# Allegro board PandaX_III_V3.brd (continued)
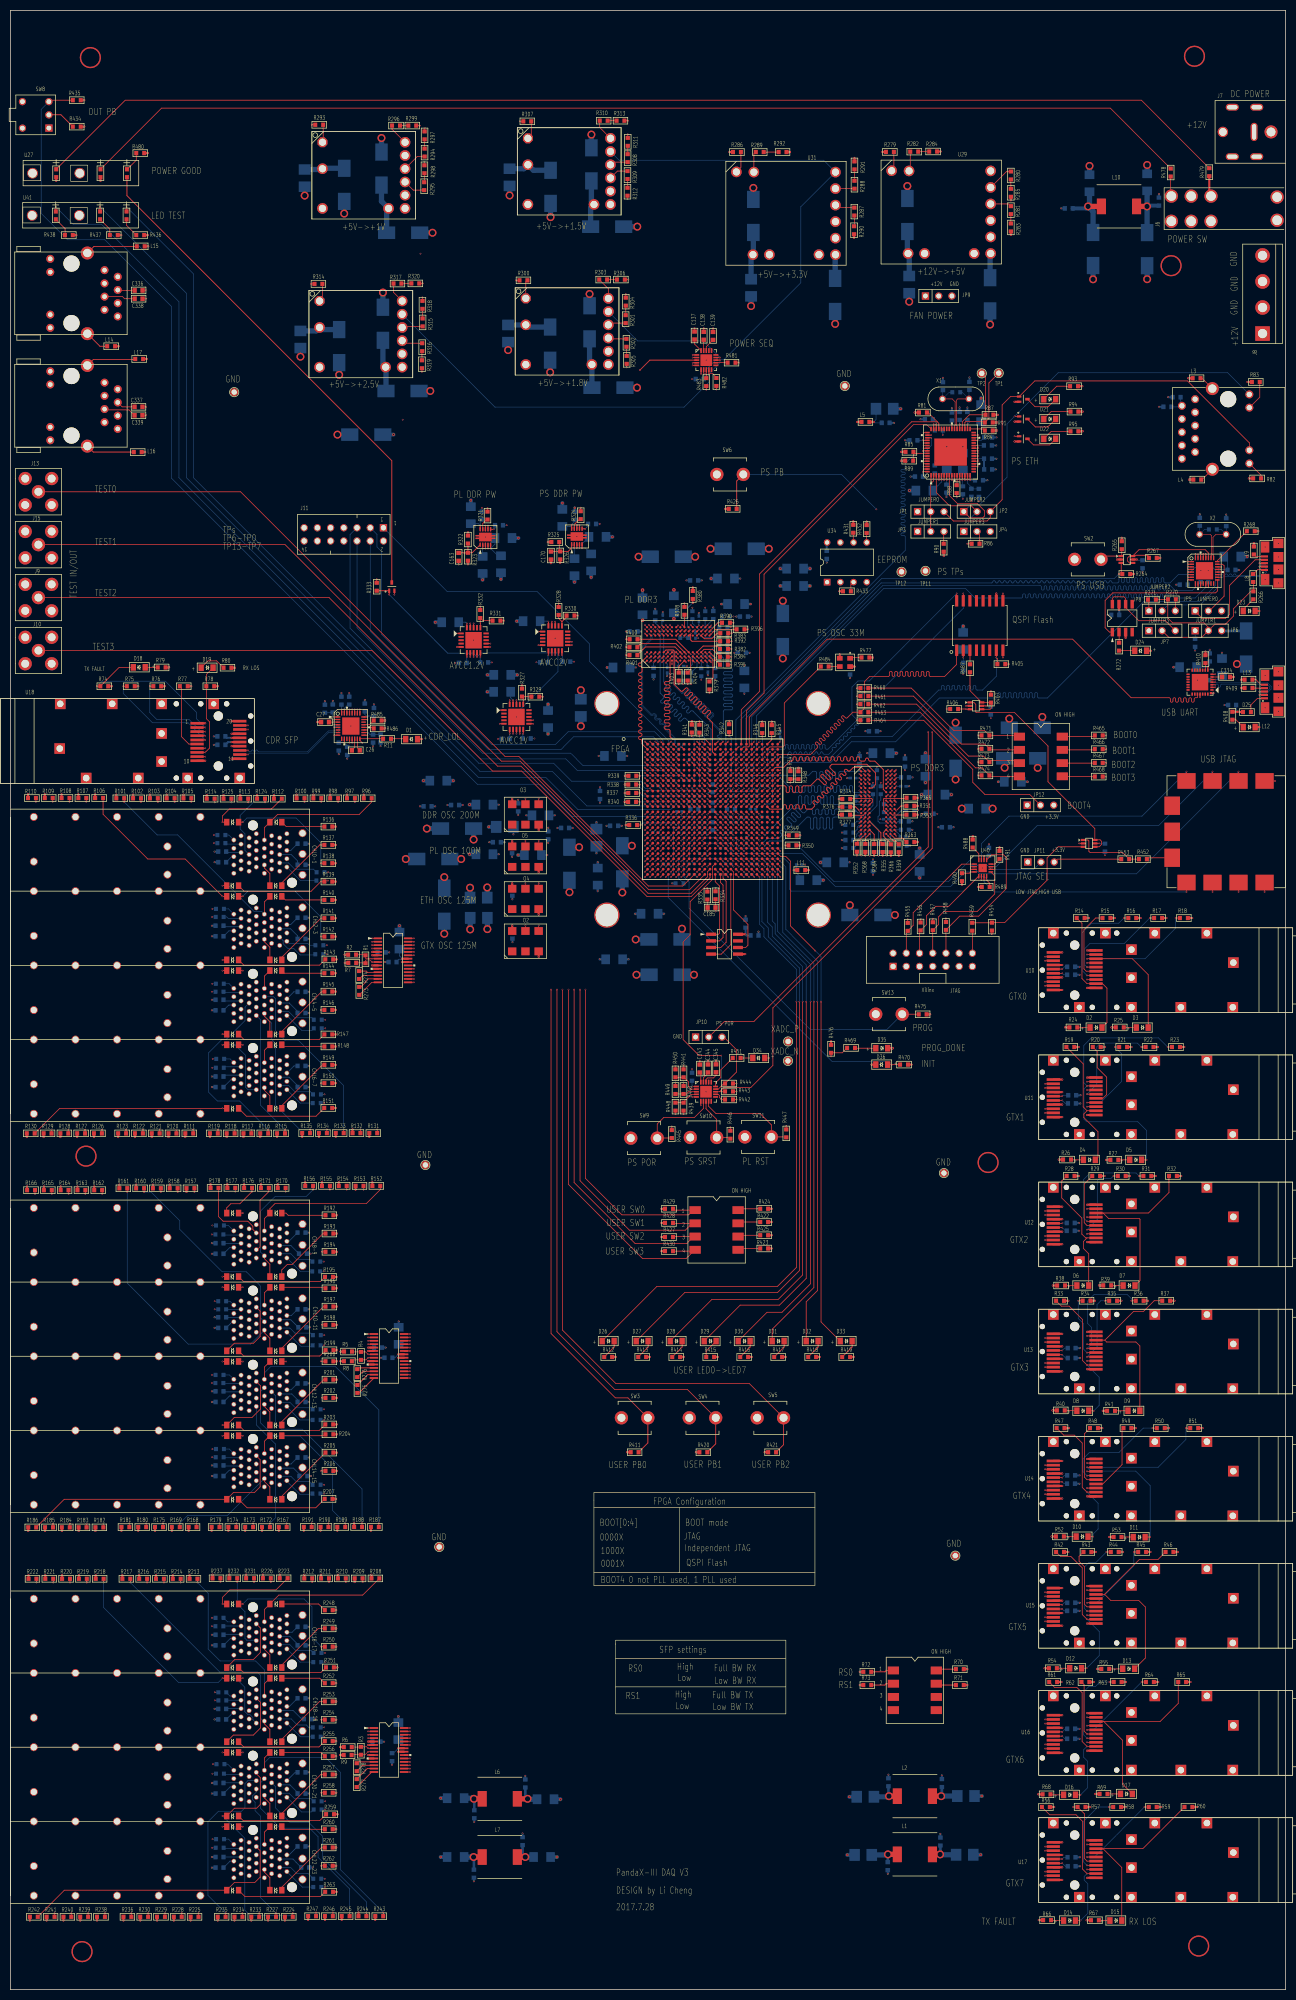
[diagram p0: board, top side]
## Routing (per net, layer and track width the routed paths; a pad name or vN(x,y) marks a point on that pad's centre or on a via; arc(x,y) is an arc through that point) (continued)
DDR3_UDQS_P: length 32.3
  TOP w0.102: U1.L24 v1(145.93,229.62)
  TOP w0.127: U33.C7 v1(168.61,232.63)
  SIG2 w0.102: v1(145.93,229.62) 146.15,229.62 146.33,229.44 146.33,229.13 146.46,229.01 148.47,229.01 149.61,227.86 150.4,227.86 arc(150.71,227.99) 150.84,228.3 arc(150.9,228.44) 151.04,228.5 151.15,228.5 arc(151.22,228.47) 151.24,228.41 151.24,228.3 arc(151.67,227.86) 152.11,228.3 arc(152.17,228.44) 152.31,228.5 152.42,228.5 arc(152.49,228.47) 152.51,228.41 152.51,228.3 arc(152.94,227.86) 153.38,228.3 arc(153.44,228.44) 153.58,228.5 153.69,228.5 arc(153.76,228.47) 153.78,228.41 153.78,228.3 arc(154.21,227.86) 154.65,228.3 arc(154.71,228.44) 154.85,228.5 154.96,228.5 arc(155.03,228.47) 155.05,228.41 155.05,228.3 arc(155.48,227.86) 155.92,228.3 arc(155.98,228.44) 156.12,228.5 156.23,228.5 arc(156.3,228.47) 156.32,228.41 156.32,228.3 arc(156.45,227.99) 156.75,227.86 160.98,227.86 161.82,228.7 165.7,228.7 166.27,229.27 166.27,231.66 167.53,232.91 168.33,232.91 v1(168.61,232.63)
DDR3_WE_B: length 43.8
  TOP w0.102: U1.V22 v1(143.93,221.62)
  TOP w0.127: U33.L3 v1(164.74,225.55)
  SIG1 w0.152: v1(143.93,221.62) 144.54,222.23 145.47,222.23 arc(145.69,222.32) 145.78,222.53 145.78,222.56 arc(146.08,222.86) 146.39,222.56 146.39,222.53 arc(146.69,222.23) 147,222.53 147,222.56 arc(147.3,222.86) 147.61,222.56 147.61,222.53 arc(147.91,222.23) 148.22,222.53 148.22,222.56 arc(148.52,222.86) 148.83,222.56 148.83,222.53 arc(149.13,222.23) 149.43,222.53 149.43,222.56 arc(149.74,222.86) 150.04,222.56 150.04,222.53 arc(150.35,222.23) 150.65,222.53 150.65,222.56 arc(150.96,222.86) 151.26,222.56 151.26,222.53 arc(151.57,222.23) 151.87,222.53 151.87,222.56 arc(152.18,222.86) 152.48,222.56 152.48,222.53 arc(152.79,222.23) 153.09,222.53 153.09,222.56 arc(153.4,222.86) 153.7,222.56 153.7,222.53 arc(154.01,222.23) 154.31,222.53 154.31,222.56 arc(154.62,222.86) 154.92,222.56 154.92,222.53 arc(155.23,222.23) 155.53,222.53 155.53,222.56 arc(155.84,222.86) 156.14,222.56 156.14,222.53 arc(156.45,222.23) 156.75,222.53 156.75,222.56 arc(157.05,222.86) 157.36,222.56 157.36,222.53 arc(157.45,222.32) 157.66,222.23 158.88,222.23 159.41,222.76 165.05,222.76 165.28,222.99 165.28,223.3 arc(165.37,223.52) 165.58,223.61 166.57,223.61 arc(166.88,223.91) 166.57,224.22 165.58,224.22 arc(165.37,224.3) 165.28,224.52 165.28,225.01 v1(164.74,225.55)
  BOTTOM w0.152: R373.1 166.5,227.31 v1(164.74,225.55)
DDR3_ZQ: length 3.3
  TOP w0.152: U33.L8 169.45,225.51 172.1,225.51 R353.2
DDR_VREF75V: length 6.9
  TOP w0.102: U1.K21 v1(142.93,230.62) ; U1.M21 v1(142.93,228.62)
  TOP w0.127: U33.M8 v1(169.41,224.75) ; U33.H1 v1(163.14,227.95)
  TOP w0.152: U32.6 v1(110.44,280.47)
  BOTTOM w0.152: v1(110.44,280.47) 111,281.03 C173.1 ; v1(163.14,227.95) 162.92,228.17 C301.1 ; C279.1 142.45,228.14 v1(142.93,228.62) ; v1(142.93,230.62) 143.4,230.15 C278.1 ; v1(169.41,224.75) 169.38,224.71 C302.1
DDR_VTT75V: length 28.6
  TOP w0.152: U32.5 v1(109.84,276.8) ; U32.3 v1(108.84,276.8)
  TOP w0.381: R368.2 v1(164.26,217.76) ; R364.2 v1(165.96,217.73) ; R363.2 v1(174.37,220.32) ; R369.2 v1(170.69,217.7) ; R377.2 v1(159.11,225.58) ; R376.2 v1(159.16,227.1) ; R366.2 v1(169.16,217.68) ; R351.2 v1(174.37,227.28) ; R355.2 v1(167.59,217.73) ; R374.2 v1(159.16,228.6) ; R365.2 v1(174.4,228.83)
  BOTTOM w0.102: R375.2 v1(165.73,231.73) ; R367.2 v1(167.23,231.73) ; R373.2 v1(166.5,234.8)
  BOTTOM w0.127: C307.1 v1(175.16,225.76)
  BOTTOM w0.152: C175.1 109.84,277.59 v1(109.84,276.8) 110.44,276.8 C174.1
  BOTTOM w0.381: C306.1 v1(165.73,216.99) ; R360.2 v1(159.74,219.18) ; R371.2 v1(174.35,226.44) ; R356.2 v1(168.4,217.73) ; R362.2 v1(163.47,217.76) ; R361.2 v1(173.3,222.68) ; R358.2 v1(159.77,222.15) ; R357.2 v1(165.1,217.73) ; R372.2 v1(166.8,217.73) ; R359.2 v1(172.9,219.66) ; C308.1 v1(171.88,234.11) ; R370.2 v1(159.74,223.62)
  BOTTOM w0.762: C303.1 v4(175.82,231.73) ; C304.1 v4(175.06,229.44) ; C305.1 v4(174.7,219.17)
ETH_AVCC1V8_FILTER: length 25.5
  TOP w0.152: U6.14 v1(183.4,289.86) ; U6.15 v1(183.9,289.86) ; U6.29 v1(185.98,297.45) ; U6.34 v1(183.9,300.54) ; U6.27 v1(185.98,296.45) ; U6.21 v1(185.98,293.45) ; U6.22 v1(185.98,293.95) ; U6.16 v1(184.39,289.86) ; U6.37 v1(182.39,300.54)
  TOP w0.381: L5.1 v1(162.69,300.99)
  BOTTOM w0.127: v1(185.98,296.45) 186,296.47 C60.1 ; C51.1 184.42,301.06 v1(183.9,300.54) 183.87,300.56 C62.1 ; v1(183.4,289.86) 183.4,291.41 183.06,291.74 C58.1 ; C63.1 186.53,297.45 v1(185.98,297.45) ; C59.1 184.46,289.79 v1(184.39,289.86) ; v1(183.9,289.86) 183.9,289.23 184.63,288.49 C54.1 184.66,288.14 C53.1 ; v1(182.39,300.54) 182.37,300.56 C56.1 ; C61.1 186,293.93 v1(185.98,293.95)
  BOTTOM w0.381: C52.1 187.07,291.9 C61.1
ETH_DVDD: length 11.6
  TOP w0.152: U6.13 v1(182.9,289.86) ; U6.47 v1(177.39,300.54) ; U6.5 v1(178.89,289.86) ; U6.40 v1(180.89,300.54)
  BOTTOM w0.127: C68.1 182.9,288.73 v1(182.9,289.86) ; C67.1 178,291.11 178.89,290.22 v1(178.89,289.86) 178.89,289.46 C64.1 ; v1(180.89,300.54) 180.9,300.54 C65.1 ; v1(177.39,300.54) 177.39,299.62 C66.1
ETH_PHY_CONFIG2: length 11
  TOP w0.127: U6.2 177.39,289.69 176.83,289.13 JP1.2 JP3.2
ETH_PHY_CONFIG3: length 20.5
  TOP w0.127: U6.3 177.89,287.44 180.44,284.89 184.61,284.89 JP2.2 ; R86.2 v1(183.85,277.6)
  BOTTOM w0.127: v1(183.85,277.6) 184.48,278.23 184.48,282.53 JP2.2
ETH_PHY_LED0: length 99.2
  TOP w0.127: U6.6 v1(179.4,289.86) ; U6.1 v1(176.9,289.86) ; J1.12 238.05,296.98 226.16,308.87 196.82,308.87 193.82,305.86 Q1.2 192.17,305.86 190.55,304.24 190.55,286.06 JP2.3 188.26,282.58 187.66,281.97 181.18,281.97 JP1.3
  SIG1 w0.127: JP1.3 179.4,283.79 v1(179.4,289.86) 179.4,290.1 179.07,290.42 177.46,290.42 v1(176.9,289.86)
ETH_PHY_LED1: length 92
  TOP w0.127: JP2.1 184.4,282.55 186.79,282.55 187.15,282.91 187.15,283.95 185.83,285.27 182.02,285.27 180.4,286.89 U6.8 ; Q2.2 v1(192.93,302.05)
  BOTTOM w0.127: JP2.1 184.56,285.14 186.26,285.14 191.49,290.37 191.49,300.61 v1(192.93,302.05) 201.32,310.44 233.88,310.44 J1.14
ETH_PHY_LED2: length 17.6
  TOP w0.127: Q3.2 v1(192.93,298.24) ; U6.9 v1(180.89,289.86)
  SIG1 w0.127: v1(180.89,289.86) 180.89,290.42 181.1,290.63 185.32,290.63 v1(192.93,298.24)
ETH_PHY_MDC: length 78.4
  TOP w0.127: U1.A20 141.42,245.54 144.81,248.92 144.81,271.76 173.51,300.46 176.09,300.46 U6.48
ETH_PHY_MDIO: length 84.6
  TOP w0.127: 178.09,301.02 176.31,302.79 R81.1 ; 178.09,301.02 173.15,301.02 143.92,271.78 143.92,249.23 140.42,245.73 U1.A19 ; 178.09,301.02 178.39,300.71 U6.45
ETH_PHY_RESET_B: length 72.4
  TOP w0.102: U1.B20 v1(140.92,237.62)
  TOP w0.127: U6.10 v1(181.39,289.86)
  SIG4 w0.127: v1(140.92,237.62) 140.92,242.9 168.25,270.23 171.27,270.23 181.31,280.27 181.31,289.78 v1(181.39,289.86)
ETH_PHY_RX_CLK: length 87.1
  TOP w0.102: U1.G22 v1(143.93,233.62)
  TOP w0.127: U6.53 v1(175.46,296.95)
  SIG3 w0.127: v1(175.46,296.95) 170.94,296.95 170.43,296.44 arc(170.36,296.27) 170.43,296.09 170.62,295.9 arc(170.62,295.54) 170.26,295.54 170.07,295.73 arc(169.72,295.73) 169.72,295.37 169.9,295.18 arc(169.9,294.82) 169.54,294.82 169.36,295.01 arc(169,295.01) 169,294.65 169.18,294.46 arc(169.18,294.1) 168.82,294.1 168.64,294.29 arc(168.28,294.29) 168.28,293.93 168.47,293.74 arc(168.47,293.38) 168.11,293.38 167.92,293.57 arc(167.56,293.57) 167.56,293.21 167.75,293.02 arc(167.75,292.67) 167.39,292.67 167.2,292.85 arc(166.84,292.85) 166.84,292.49 167.03,292.31 arc(167.03,291.95) 166.67,291.95 166.48,292.13 arc(166.3,292.21) 166.12,292.13 145.49,271.5 145.49,240.62 144.37,239.5 144.37,234.09 143.93,233.64 v1(143.93,233.62)
ETH_PHY_RX_CTRL: length 87.3
  TOP w0.102: U1.F18 v1(139.93,234.62)
  TOP w0.127: U6.49 v1(175.46,298.95)
  SIG4 w0.127: v1(175.46,298.95) 174.46,299.95 166.93,299.95 151.51,284.53 151.51,256.59 139.45,244.53 139.45,235.11 v1(139.93,234.62)
ETH_PHY_RXD0: length 87
  TOP w0.102: U1.F20 v1(141.93,234.62)
  TOP w0.127: U6.50 v1(176.93,298.45)
  SIG3 w0.127: v1(141.93,234.62) 141.5,235.05 140.54,235.05 140.41,235.18 140.41,269.5 170.56,299.64 175.74,299.64 v1(176.93,298.45)
ETH_PHY_RXD1: length 102.4
  TOP w0.102: U1.J19 v1(140.93,231.62)
  TOP w0.127: U6.51 v1(176.93,297.95)
  BOTTOM w0.127: v1(176.93,297.95) 176.93,296.44 175.46,294.97 173.89,294.97 171.93,293.02 171.93,292.12 arc(171.86,291.94) 171.68,291.87 171.35,291.87 arc(171.09,291.62) 171.35,291.36 171.68,291.36 arc(171.93,291.11) 171.68,290.85 171.35,290.85 arc(171.09,290.6) 171.35,290.35 171.68,290.35 arc(171.93,290.09) 171.68,289.84 171.35,289.84 arc(171.09,289.58) 171.35,289.33 171.68,289.33 arc(171.93,289.08) 171.68,288.82 171.35,288.82 arc(171.09,288.57) 171.35,288.31 171.68,288.31 arc(171.93,288.06) 171.68,287.81 171.35,287.81 arc(171.09,287.55) 171.35,287.3 171.68,287.3 arc(171.93,287.04) 171.68,286.79 171.35,286.79 arc(171.09,286.54) 171.35,286.28 171.68,286.28 arc(171.93,286.03) 171.68,285.77 171.35,285.77 arc(171.09,285.52) 171.35,285.27 171.68,285.27 arc(171.93,285.01) 171.68,284.76 171.35,284.76 arc(171.09,284.5) 171.35,284.25 171.68,284.25 arc(171.93,284) 171.68,283.74 171.35,283.74 arc(171.09,283.49) 171.35,283.23 171.68,283.23 arc(171.93,282.98) 171.68,282.73 171.35,282.73 arc(171.09,282.47) 171.35,282.22 171.68,282.22 arc(171.93,281.96) 171.68,281.71 171.35,281.71 arc(171.09,281.46) 171.35,281.2 171.68,281.2 arc(171.93,280.95) 171.68,280.69 171.35,280.69 arc(171.09,280.44) 171.35,280.19 171.68,280.19 arc(171.93,279.93) 171.68,279.68 171.35,279.68 arc(171.09,279.42) 171.35,279.17 171.68,279.17 arc(171.86,279.09) 171.93,278.92 171.93,276.33 139.4,243.79 139.4,231.57 139.78,231.19 140.61,231.19 140.93,231.5 v1(140.93,231.62)
ETH_PHY_RXD2: length 87.6
  TOP w0.102: U1.F19 v1(140.93,234.62) ; U6.54 v1(175.46,296.45)
  SIG2 w0.127: v1(140.93,234.62) 140.93,234.63 141.35,235.05 141.35,246.38 150.19,255.22 150.19,273.53 166.54,289.89 arc(166.62,290.07) 166.54,290.25 166.25,290.53 arc(166.25,290.89) 166.61,290.89 166.9,290.61 arc(167.26,290.61) 167.26,290.96 166.97,291.25 arc(166.97,291.61) 167.33,291.61 167.62,291.32 arc(167.98,291.32) 167.98,291.68 167.69,291.97 arc(167.69,292.33) 168.05,292.33 168.34,292.04 arc(168.7,292.04) 168.7,292.4 168.41,292.69 arc(168.41,293.05) 168.77,293.05 169.06,292.76 arc(169.42,292.76) 169.42,293.12 169.13,293.41 arc(169.13,293.77) 169.49,293.77 169.78,293.48 arc(169.96,293.4) 170.14,293.48 171.63,294.97 175.72,294.97 176.02,295.28 176.02,296.22 175.79,296.45 v1(175.46,296.45)
ETH_PHY_RXD3: length 84.9
  TOP w0.102: U1.H17 v1(138.93,232.62) ; U6.55 v1(175.46,295.95)
  SIG2 w0.127: v1(138.93,232.62) 139.48,232.62 139.8,232.94 139.97,232.94 140.33,233.3 140.33,251.33 146.61,257.61 146.61,274.93 167.63,295.95 v1(175.46,295.95)
ETH_PHY_TX_CLK: length 89.6
  TOP w0.102: U1.G21 v1(142.93,233.62)
  TOP w0.127: U6.60 v1(175.46,293.45)
  SIG3 w0.127: v1(142.93,233.62) 142.93,233.63 142.47,234.09 142.47,262.94 142.84,263.31 142.84,270.85 170.43,298.45 175.62,298.45 176.86,297.21 176.86,294.46 175.85,293.45 v1(175.46,293.45)
ETH_PHY_TX_CTRL: length 88.7
  TOP w0.102: U1.F22 v1(143.93,234.62)
  TOP w0.127: U6.63 v1(175.46,291.95)
  SIG3 w0.127: v1(143.93,234.62) 143.84,234.62 143.41,235.05 143.41,270.54 170.79,297.92 175.56,297.92 176.2,297.28 176.2,295.53 175.69,295.02 175.11,295.02 174.88,294.79 174.88,292.2 175.13,291.95 v1(175.46,291.95)
ETH_PHY_TXD0: length 88.5
  TOP w0.102: U1.G17 v1(138.93,233.62) ; U6.58 v1(175.46,294.45)
  SIG1 w0.127: v1(175.46,294.45) 170.15,294.45 arc(169.97,294.53) 169.89,294.7 169.89,295.02 arc(169.64,295.28) 169.38,295.02 169.38,294.7 arc(169.13,294.45) 168.88,294.7 168.88,295.02 arc(168.62,295.28) 168.37,295.02 168.37,294.7 arc(168.11,294.45) 167.86,294.7 167.86,295.02 arc(167.61,295.28) 167.35,295.02 167.35,294.7 arc(167.1,294.45) 166.84,294.7 166.84,295.02 arc(166.59,295.28) 166.34,295.02 166.34,294.7 arc(166.26,294.53) 166.08,294.45 165.7,294.45 143.38,272.14 143.38,250.19 139.52,246.33 139.52,236.42 139.27,236.17 138.86,236.17 138.56,235.87 138.56,233.99 v1(138.93,233.62)
ETH_PHY_TXD1: length 84.6
  TOP w0.102: U6.59 v1(175.46,293.95) ; U1.G20 v1(141.93,233.62)
  SIG4 w0.127: v1(141.93,233.62) 141.35,234.2 141.35,241.63 169.14,269.42 171.2,269.42 181.99,280.21 181.99,285.29 182.25,285.55 182.25,288.88 181.91,289.21 181.91,290.22 178.19,293.95 v1(175.46,293.95)
ETH_PHY_TXD2: length 88.6
  TOP w0.102: U1.G19 v1(140.93,233.62) ; U6.61 v1(175.46,292.95)
  SIG1 w0.127: v1(175.46,292.95) 171.46,292.95 arc(171.28,292.88) 171.21,292.7 171.21,292.41 arc(170.95,292.15) 170.7,292.41 170.7,292.7 arc(170.44,292.95) 170.19,292.7 170.19,292.41 arc(169.94,292.15) 169.68,292.41 169.68,292.7 arc(169.43,292.95) 169.17,292.7 169.17,292.41 arc(168.92,292.15) 168.67,292.41 168.67,292.7 arc(168.41,292.95) 168.16,292.7 168.16,292.41 arc(167.9,292.15) 167.65,292.41 167.65,292.7 arc(167.4,292.95) 167.14,292.7 167.14,292.41 arc(166.89,292.15) 166.63,292.41 166.63,292.7 arc(166.38,292.95) 166.13,292.7 166.13,292.41 arc(165.87,292.15) 165.62,292.41 165.62,292.7 arc(165.54,292.88) 165.36,292.95 165.11,292.95 144.02,271.86 144.02,249.91 140.39,246.28 140.39,234.09 140.85,233.62 v1(140.93,233.62)
ETH_PHY_TXD3: length 89.9
  TOP w0.102: U1.H19 v1(140.93,232.62) ; U6.62 v1(175.46,292.45)
  SIG4 w0.127: v1(175.46,292.45) 173.85,292.45 arc(173.67,292.37) 173.6,292.2 173.6,292.13 arc(173.34,291.87) 173.09,292.13 173.09,292.2 arc(172.84,292.45) 172.58,292.2 172.58,292.13 arc(172.33,291.87) 172.07,292.13 172.07,292.2 arc(171.82,292.45) 171.57,292.2 171.57,292.13 arc(171.31,291.87) 171.06,292.13 171.06,292.2 arc(170.8,292.45) 170.55,292.2 170.55,292.13 arc(170.3,291.87) 170.04,292.13 170.04,292.2 arc(169.79,292.45) 169.53,292.2 169.53,292.13 arc(169.28,291.87) 169.03,292.13 169.03,292.2 arc(168.77,292.45) 168.52,292.2 168.52,292.13 arc(168.26,291.87) 168.01,292.13 168.01,292.2 arc(167.76,292.45) 167.5,292.2 167.5,292.13 arc(167.25,291.87) 166.99,292.13 166.99,292.2 arc(166.74,292.45) 166.49,292.2 166.49,292.13 arc(166.23,291.87) 165.98,292.13 165.98,292.2 arc(165.72,292.45) 165.47,292.2 165.47,292.13 arc(165.22,291.87) 164.96,292.13 164.96,292.2 arc(164.89,292.37) 164.71,292.45 162.73,292.45 154.81,284.53 154.81,258.29 140.44,243.92 140.44,233.11 v1(140.93,232.62)
ETHERNET_GTX_CLK_N: length 36.9
  TOP w0.102: O4.5 v1(98.96,212.42) ; U1.R5 v1(125.92,224.62)
  SIG1 w0.102: v1(98.96,212.42) 100,212.42 100.1,212.52 100.1,213.41 100.48,213.79 102.31,213.79 104.57,216.06 104.57,218.39 109.22,223.04 121.24,223.04 121.44,223.24 121.51,223.24 126.13,223.24 126.26,223.37 126.26,224.27 126.21,224.32 126.21,224.33 v1(125.92,224.62)
ETHERNET_GTX_CLK_P: length 36.9
  TOP w0.102: U1.R6 v1(126.92,224.62) ; O4.4 v1(101.5,212.42)
  SIG1 w0.102: v1(126.92,224.62) 126.52,224.21 126.52,223.27 126.24,222.99 121.62,222.99 121.41,222.78 109.32,222.78 104.83,218.29 104.83,215.95 102.41,213.54 100.59,213.54 100.36,213.31 100.36,212.57 100.51,212.42 v1(101.5,212.42)
ETHERNET_XTAL_N: length 12
  TOP w0.102: X1.1 180.95,305.41 181.52,304.84 181.52,300.35 181.39,300.23 U6.39
  BOTTOM w0.102: R92.2 180.37,306.68 X1.1 179.1,307.01 C44.1
ETHERNET_XTAL_P: length 12
  TOP w0.102: U6.38 181.89,300.23 181.77,300.35 181.77,305.17 182.02,305.41 X1.2
  BOTTOM w0.102: C45.1 184.18,307.04 X1.2 182.91,306.68 R92.1
FEC_CLK_N: length 149.7
  TOP w0.102: U1.H3 v1(123.92,232.62)
  SIG2 w0.102: DU2.2 22.4,309.04 22.8,309.04 arc(22.94,308.98) 23,308.84 23,308.64 arc(23.2,308.43) 23.41,308.64 23.41,308.84 arc(23.61,309.04) 23.81,308.84 23.81,308.64 arc(24.02,308.43) 24.22,308.64 24.22,308.84 arc(24.42,309.04) 24.63,308.84 24.63,308.64 arc(24.83,308.43) 25.03,308.64 25.03,308.84 arc(25.09,308.98) 25.24,309.04 47.6,309.04 92.58,264.06 106.04,264.06 107.19,262.92 107.19,246.58 119.71,234.06 123.95,234.06 124.29,233.72 124.29,233 v1(123.92,232.62)
FEC_CLK_P: length 149.7
  TOP w0.102: U1.H4 v1(124.92,232.62)
  SIG2 w0.102: DU2.1 18.84,309.3 47.7,309.3 92.68,264.31 106.15,264.31 107.44,263.02 107.44,246.69 119.81,234.32 124.05,234.32 124.55,233.82 124.55,233 v1(124.92,232.62)
FEC_ENAREM: length 182.8
  TOP w0.102: U1.W16 v1(137.93,220.62)
  SIG4 w0.127: DU2.3 11.38,306 8.86,303.48 8.86,295.53 12.14,292.25 30.58,292.25 92.71,230.13 108.64,230.13 111.61,227.15 137.16,227.15 138.46,225.86 138.46,221.15 v1(137.93,220.62)
FEC_GROUP_TX_N0: length 91.4
  TOP w0.102: R7.1 68.15,197.13 R1.1 68.22,197.59 68.33,197.69 69.09,197.69 v1(69.49,197.29) U2.8 ; U1.G1 v1(121.92,233.62)
  SIG1 w0.102: v1(121.92,233.62) 121.97,233.58 122.12,233.58 122.35,233.81 122.35,234.02 122.6,234.27 123.03,234.27 123.29,234.52 123.29,237.84 123.11,238.02 96.22,238.02 85.72,227.53 85.09,226.9 85.09,212.06 71.41,198.38 arc(71.35,198.23) 71.41,198.09 71.64,197.86 arc(71.64,197.57) 71.35,197.57 71.12,197.8 arc(70.97,197.86) 70.83,197.8 70.49,197.47 69.67,197.47 v1(69.49,197.29)
FEC_GROUP_TX_N1: length 160.8
  TOP w0.102: U3.8 v1(68.73,121.32) 68.32,120.91 R4.1 65.86,120.91 R8.1 ; U1.E1 v1(121.92,235.62)
  SIG1 w0.102: v1(121.92,235.62) 122.29,235.99 122.29,236.84 122.07,237.06 120.55,237.06 119.16,235.66 97.49,235.66 90.91,229.08 90.91,219.36 89.56,218.01 89.56,212.11 89.59,212.08 89.59,211.03 89.56,211.01 89.56,204.13 89.61,204.08 89.61,203.03 89.56,202.98 89.56,154.84 89.41,154.69 75.97,141.25 75.97,124.97 73.46,122.45 71.6,122.45 70.66,121.51 69.91,121.51 arc(69.8,121.47) 69.76,121.36 arc(69.71,121.25) 69.61,121.21 69.5,121.21 arc(69.4,121.25) 69.35,121.36 arc(69.31,121.47) 69.2,121.51 68.93,121.51 v1(68.73,121.32)
FEC_GROUP_TX_N2: length 233.4
  TOP w0.102: U1.AE26 v1(147.93,214.62) ; R9.1 65.61,45.09 R3.1 68.14,45.09 v1(68.73,45.68) U19.8
  SIG4 w0.102: v1(68.73,45.68) 68.73,45.79 68.83,45.9 72.55,45.9 75.69,49.04 75.69,50.42 94.47,69.19 119.51,69.19 159.08,108.76 159.08,190.48 147.57,201.99 147.57,214.35 147.84,214.62 v1(147.93,214.62)
FEC_GROUP_TX_P0: length 91.4
  TOP w0.102: R2.2 68.1,198.71 R1.2 68.22,198.04 68.33,197.94 69.48,197.94 v1(69.49,197.94) U2.7 ; U1.H2 v1(122.92,232.62)
  SIG1 w0.102: v1(122.92,232.62) 122.61,232.94 122.61,233.91 122.71,234.01 123.14,234.01 123.55,234.42 123.55,237.95 123.22,238.28 96.11,238.28 85.62,227.79 84.84,227 84.84,212.17 70.39,197.72 69.72,197.72 69.49,197.94 v1(69.49,197.94)
FEC_GROUP_TX_P1: length 160.8
  TOP w0.102: U1.E2 v1(122.92,235.62) ; R5.2 65.71,122.43 R4.2 68.26,122.43 v1(68.73,121.97) U3.7
  SIG1 w0.102: v1(122.92,235.62) 122.55,235.99 122.55,236.94 122.18,237.31 120.45,237.31 119.05,235.92 97.38,235.92 90.65,229.19 90.65,219.46 89.31,218.11 89.31,212 89.33,211.98 89.33,211.14 89.31,211.11 89.31,204.03 89.36,203.98 89.36,203.14 89.31,203.09 89.31,154.94 75.72,141.35 75.72,125.07 73.36,122.71 71.5,122.71 70.56,121.77 68.93,121.77 v1(68.73,121.97)
FEC_GROUP_TX_P2: length 233.4
  TOP w0.102: U1.AE25 v1(146.93,214.62) ; R6.2 67.28,46.56 R3.2 68.44,46.61 v1(68.73,46.33) U19.7
  SIG4 w0.102: v1(146.93,214.62) 147.19,214.35 147.22,214.35 147.32,214.25 147.32,201.88 158.83,190.37 158.83,108.87 119.4,69.44 94.36,69.44 75.44,50.52 75.44,49.15 72.44,46.15 71.62,46.15 arc(71.48,46.21) 71.42,46.36 71.42,46.46 arc(71.22,46.66) 71.01,46.46 71.01,46.36 arc(70.95,46.21) 70.81,46.15 68.9,46.15 v1(68.73,46.33)
FEC_MISO_N: length 164.7
  TOP w0.102: U1.J5 v1(125.92,231.62)
  SIG4 w0.102: v1(125.92,231.62) 126.3,231.25 127.12,231.25 127.25,231.39 127.25,231.95 127.61,232.31 128.18,232.31 128.3,232.43 128.3,241.58 113.87,256.01 113.87,283.18 97.35,299.7 27.56,299.7 arc(27.41,299.64) 27.35,299.49 27.35,299.42 arc(27.15,299.21) 26.95,299.42 26.95,299.49 arc(26.74,299.7) 26.54,299.49 26.54,299.42 arc(26.34,299.21) 26.13,299.42 26.13,299.49 arc(25.93,299.7) 25.73,299.49 25.73,299.42 arc(25.52,299.21) 25.32,299.42 25.32,299.49 arc(25.12,299.7) 24.91,299.49 24.91,299.42 arc(24.71,299.21) 24.51,299.42 24.51,299.49 arc(24.3,299.7) 24.1,299.49 24.1,299.42 arc(23.9,299.21) 23.69,299.42 23.69,299.49 arc(23.49,299.7) 23.29,299.49 23.29,299.42 arc(23.08,299.21) 22.88,299.42 22.88,299.49 arc(22.82,299.64) 22.68,299.7 22.45,299.7 22.32,299.57 20.71,299.57 DU2.8
FEC_MISO_P: length 164.7
  TOP w0.102: U1.K5 v1(125.92,230.62)
  SIG4 w0.102: DU2.7 18.11,300.94 21.56,300.94 22.56,299.95 97.46,299.95 114.12,283.29 114.12,256.11 128.55,241.69 128.55,232.32 128.28,232.06 127.72,232.06 127.51,231.84 127.51,231.28 127.22,231 126.3,231 v1(125.92,230.62)
FEC_MOSI_N: length 159.6
  TOP w0.102: C339.1 v1(26.09,302.26) ; U1.K7 v1(127.92,230.62)
  SIG4 w0.102: v1(26.09,302.26) 26.09,302.85 26.19,302.95 26.59,302.95 arc(26.71,302.89) 26.76,302.77 arc(26.82,302.64) 26.94,302.59 26.99,302.59 arc(27.12,302.64) 27.17,302.77 arc(27.22,302.89) 27.35,302.95 96.77,302.95 116.97,282.75 116.97,255.01 129.23,242.75 129.23,231.9 128.3,230.97 128.3,230.76 128.17,230.62 v1(127.92,230.62)
FEC_MOSI_P: length 159.6
  TOP w0.102: U1.K8 v1(128.92,230.62) ; C337.1 v1(26.09,303.89)
  SIG4 w0.102: v1(26.09,303.89) 26.09,303.3 26.19,303.2 96.88,303.2 117.22,282.86 117.22,255.12 129.48,242.86 129.48,231.79 128.56,230.87 128.56,230.72 128.66,230.62 v1(128.92,230.62)
FEC_REMDET: length 185
  TOP w0.102: U1.Y16 v1(137.93,219.62)
  SIG4 w0.127: DU2.6 10.24,302.19 9.58,301.52 9.58,295.99 12.47,293.09 30.96,293.09 93.14,230.91 108.86,230.91 111.05,228.73 120.93,228.73 121.59,228.07 138.99,228.07 139.55,227.51 139.55,220.32 139.19,219.97 138.28,219.97 v1(137.93,219.62)
FEC_RX_LOS0: length 22.7
  TOP w0.127: J3.1T24 49.86,214.28 48.8,215.34 J3.1T8 ; R100.2 v1(56.51,228.02)
  SIG1 w0.127: v1(56.51,228.02) 53.67,228.02 48.08,222.43 48.08,216.64 J3.1T8
FEC_RX_LOS1: length 26.1
  TOP w0.127: J3.1L24 v1(40.75,211.95) ; R114.2 v1(39.24,227.94)
  SIG2 w0.127: v1(39.24,227.94) 40.07,227.94 47.25,220.76 J3.1L8 45.66,220.32 45.15,219.82 45.15,214.39 44.02,213.26 42.06,213.26 v1(40.75,211.95)
FEC_RX_LOS2: length 41.3
  TOP w0.127: J3.2T8 48.8,201.19 49.86,200.13 J3.2T24 ; R105.2 v1(34.77,228.02)
  SIG2 w0.127: J3.2T8 48.6,201.67 48.01,202.26 48.01,210.21 47.02,211.2 40.36,211.2 35.74,215.82 35.74,223.17 34.77,224.13 v1(34.77,228.02)
FEC_RX_LOS3: length 65.4
  TOP w0.127: J3.2L24 v1(40.75,197.7) ; R110.2 v1(4.9,228.07)
  SIG1 w0.127: J3.2L8 48.08,205.24 48.08,200.41 45.37,197.7 v1(40.75,197.7) 40.75,199.41 31.85,208.31 24.66,208.31 v1(4.9,228.07)
FEC_RX_LOS4: length 32.2
  TOP w0.127: J3.3T8 48.8,186.86 49.86,185.8 J3.3T24 ; R135.2 v1(57.58,165.15)
  BOTTOM w0.127: v1(57.58,165.15) 55.58,165.15 50.95,169.77 50.95,181.66 50.22,182.4 50.22,185.55 48.8,186.97 J3.3T8
FEC_RX_LOS5: length 35.1
  TOP w0.127: J3.3L24 v1(40.75,183.45) ; R119.2 v1(39.85,165.1)
  SIG1 w0.127: v1(40.75,183.45) 46.03,183.45 48.03,185.45 48.03,191.04 J3.3L8
  SIG4 w0.127: v1(39.85,165.1) 39.85,182.55 v1(40.75,183.45)
FEC_RX_LOS6: length 25.5
  TOP w0.127: J3.4T24 49.86,171.61 48.8,172.67 J3.4T8 ; R111.2 v1(35.13,165.1)
  SIG1 w0.127: v1(35.13,165.1) 35.89,165.86 46.13,165.86 49.61,169.34 49.61,171.88 48.8,172.69 J3.4T8
FEC_RX_LOS7: length 52.2
  TOP w0.127: J3.4L24 v1(40.75,169.2) 9.48,169.2 R130.2
  SIG2 w0.127: J3.4L8 45.57,177.57 45.14,177.14 45.14,171.37 42.96,169.2 v1(40.75,169.2)
FEC_RX_LOS8: length 25.9
  TOP w0.127: J4.1T8 48.8,140.33 49.86,139.27 J4.1T24 ; R156.2 v1(58.17,153.59)
  BOTTOM w0.127: v1(58.17,153.59) 56.87,152.3 50.88,152.3 48.03,149.45 48.03,141.63 J4.1T8
FEC_RX_LOS9: length 29.1
  TOP w0.127: J4.1L8 46.59,145.93 46.59,146.56 45.62,147.52 40.87,147.52 39.98,148.41 R178.2 ; J4.1L24 v1(40.75,136.89)
  SIG2 w0.127: v1(40.75,136.89) 43.83,136.89 45.06,138.13 45.06,144.73 45.6,145.27 J4.1L8
FEC_RX_LOS10: length 54.9
  TOP w0.127: R161.2 v1(22.45,153.14) ; J4.2T8 48.8,126.11 49.86,125.05 J4.2T24
  BOTTOM w0.127: v1(22.45,153.14) 22.45,135.64 34.16,123.93 46.11,123.93 J4.2T8
FEC_RX_LOS11: length 71.2
  TOP w0.127: J4.2L24 43.03,124.11 46.71,124.11 47.98,125.38 47.98,130.29 J4.2L8 ; R166.2 v1(4.72,152.78)
  SIG1 w0.127: J4.2L8 47.25,131.54 45.24,133.55 33.58,133.55 28.52,138.61 24.59,138.61 15.34,147.85 15.34,153.11 13.69,154.76 5.97,154.76 4.72,153.52 v1(4.72,152.78)
FEC_RX_LOS12: length 56.9
  TOP w0.127: J4.3T8 48.8,111.94 49.86,110.88 J4.3T24 ; R191.2 v1(57.89,89.54)
  SIG3 w0.127: J4.3T8 46.39,109.96 36.86,109.96 35.03,108.13 35.03,98.43 43.31,90.15 57.18,90.15 57.78,89.54 v1(57.89,89.54)
FEC_RX_LOS13: length 34
  TOP w0.127: 47.25,116.76 47.25,116.73 48.06,115.93 48.06,111.48 46.43,109.86 43.03,109.86 J4.3L24 v1(40.75,108.39) ; R179.2 v1(40.18,89.51)
  SIG4 w0.127: v1(40.75,108.39) 40.18,107.83 v1(40.18,89.51)
FEC_RX_LOS14: length 25
  TOP w0.127: R169.2 v1(32.54,89.51) ; J4.4T8 48.8,97.56 49.86,96.5 J4.4T24
  BOTTOM w0.127: v1(32.54,89.51) 34.04,91.01 41.69,91.01 J4.4T8
FEC_RX_LOS15: length 52.5
  TOP w0.127: R186.2 10.35,94.14 J4.4L24 42.87,95.45 46.91,95.45 47.98,96.52 47.98,101.75 47.25,102.49 J4.4L8
FEC_RX_LOS16: length 24.4
  TOP w0.127: J5.1T8 48.8,65.32 49.86,64.27 J5.1T24 ; R212.2 v1(57.99,78.23)
  SIG2 w0.127: v1(57.99,78.23) 53.72,78.23 48.08,72.59 48.08,66.53 J5.1T8
